# Altium PCB nufsr-p00.pcbdoc
Units mm, origin at the board's own origin, x right, y up, seen from the top; angles counter-clockwise.
Board outline 70.36 x 40 mm, 8 copper layers (Top Layer, Signal Layer 1, Signal Layer 2, Mid-Layer 3, Mid-Layer 4, Internal Plane 1, Internal Plane 2, Bottom Layer), stack 2.008 mm thick; 85 components, 43 nets, 296 pads, 84 vias.
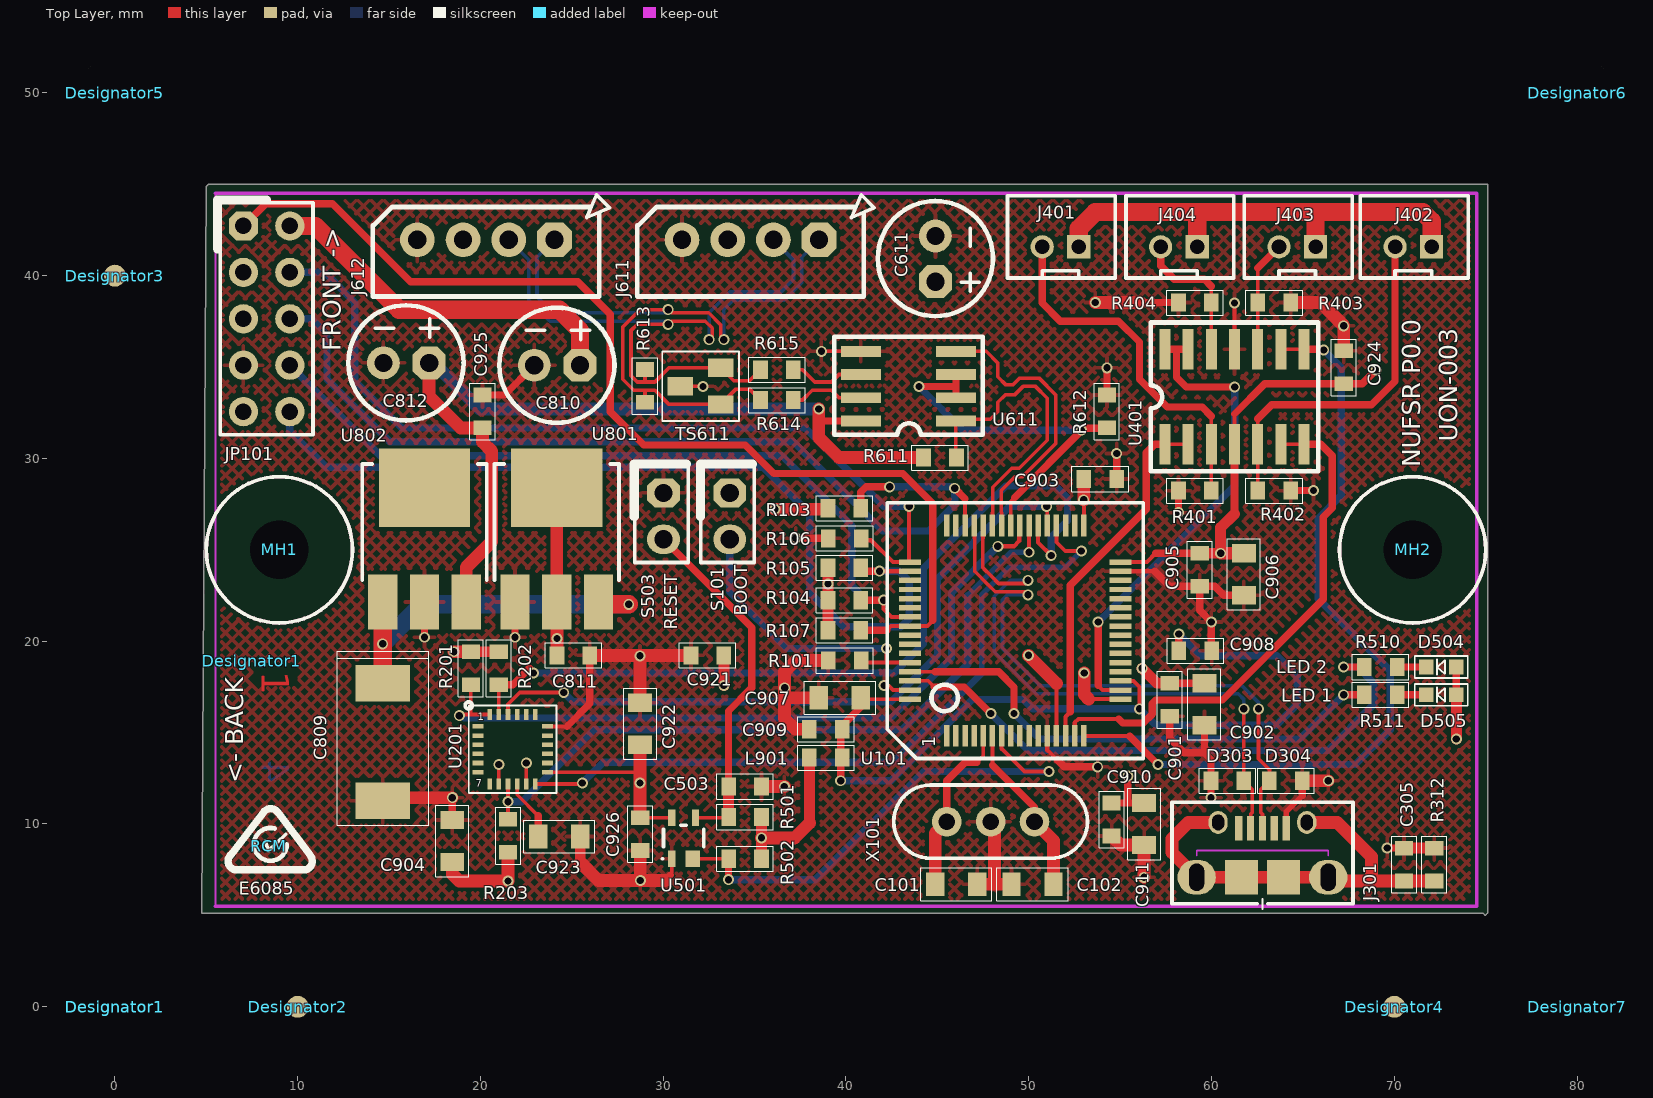
[diagram p0: Top Layer view]
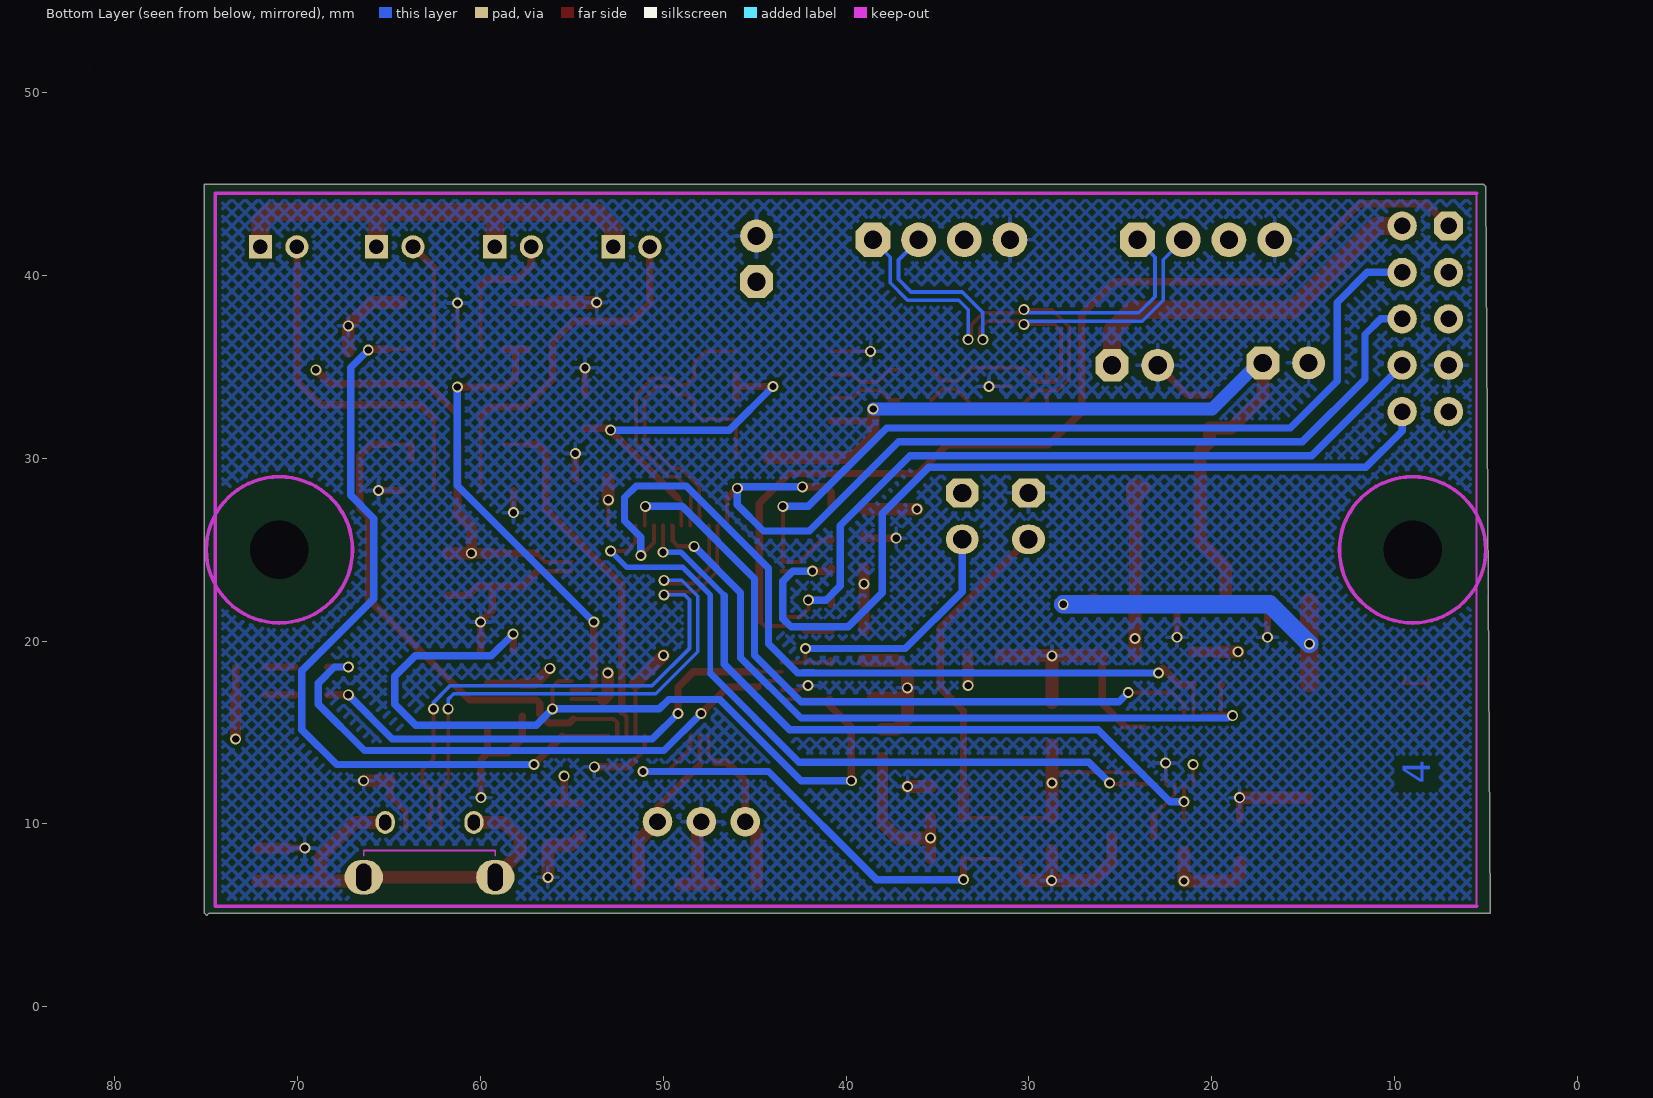
[diagram p1: Bottom Layer view, seen from below]
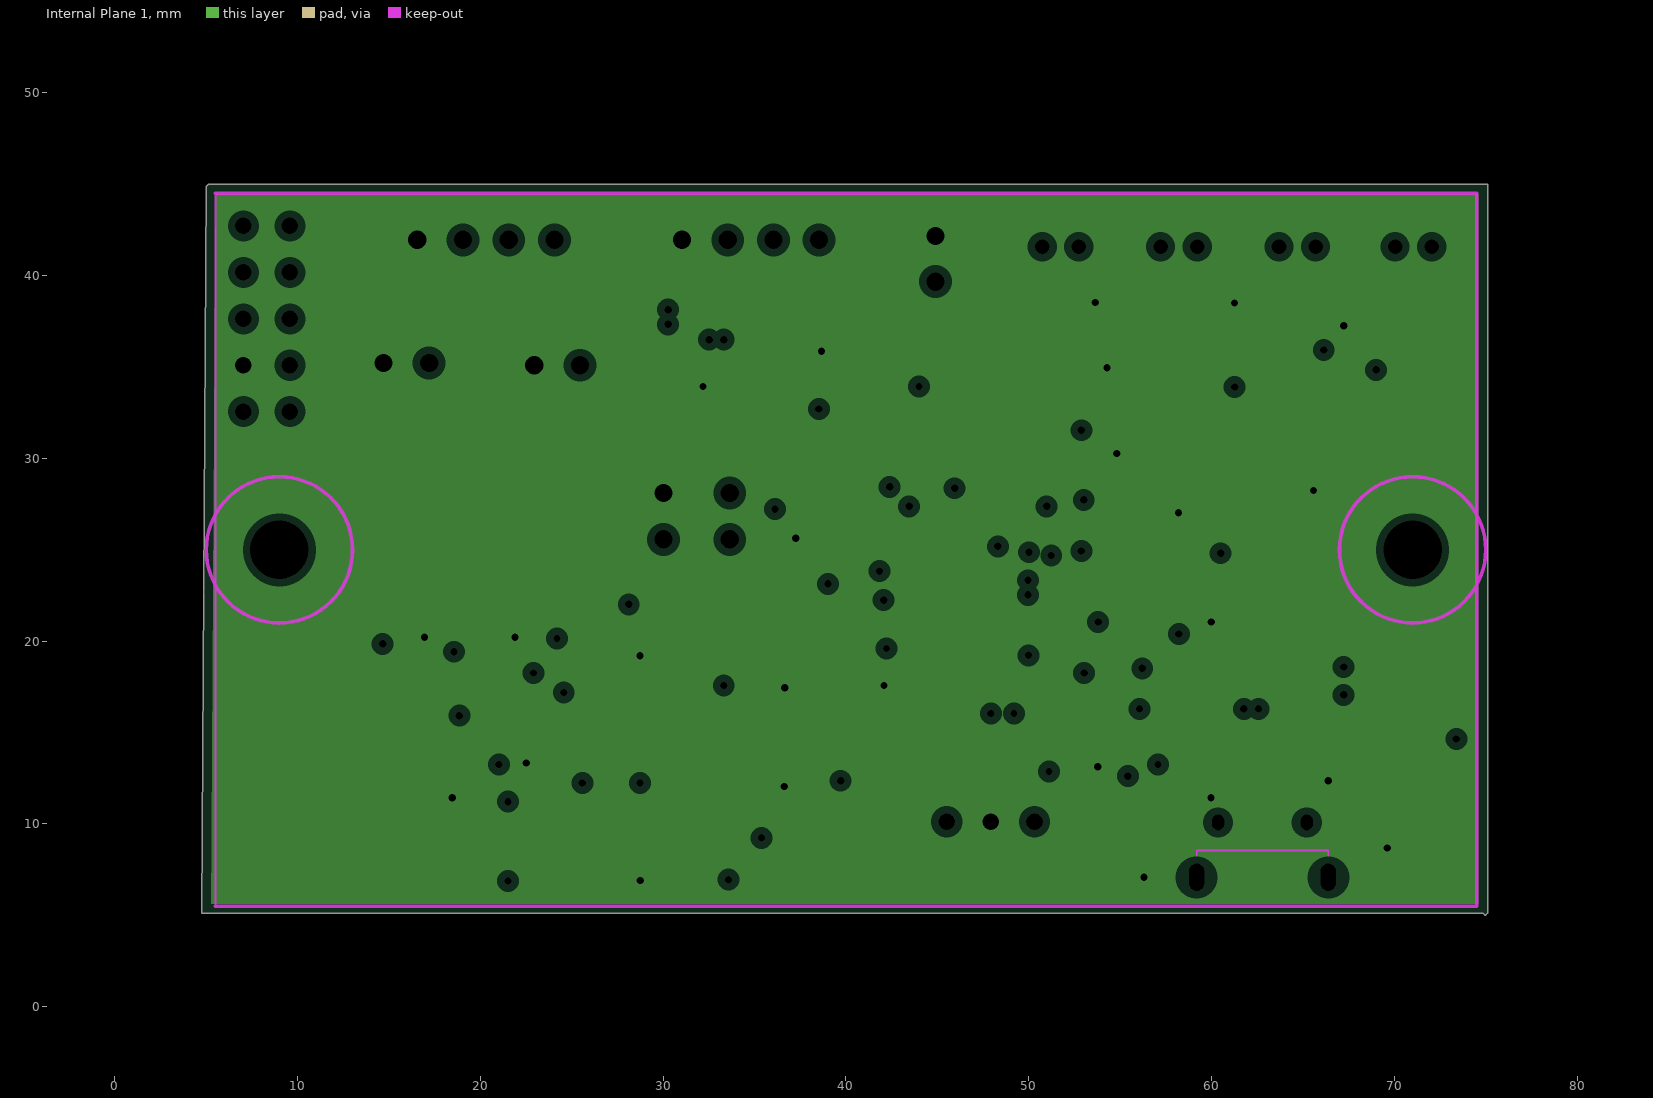
[diagram p2: Internal Plane 1, clearances drawn from the general rule]
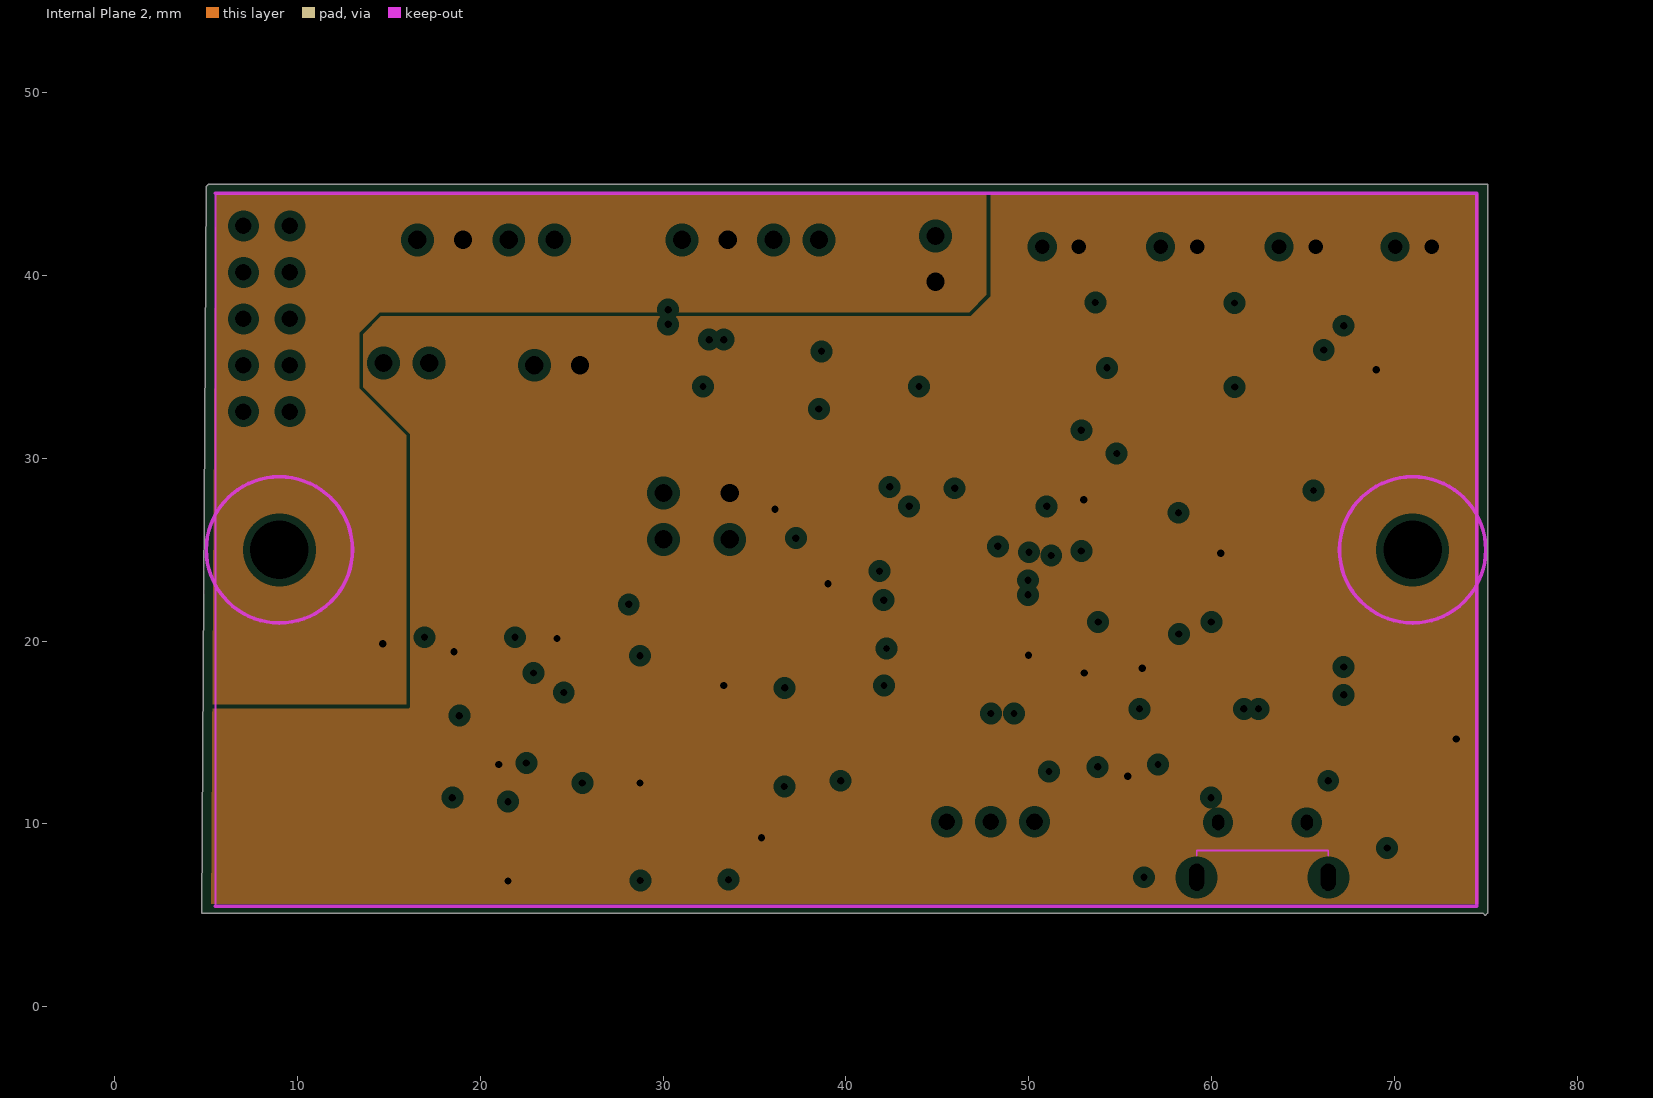
[diagram p3: Internal Plane 2, clearances drawn from the general rule]
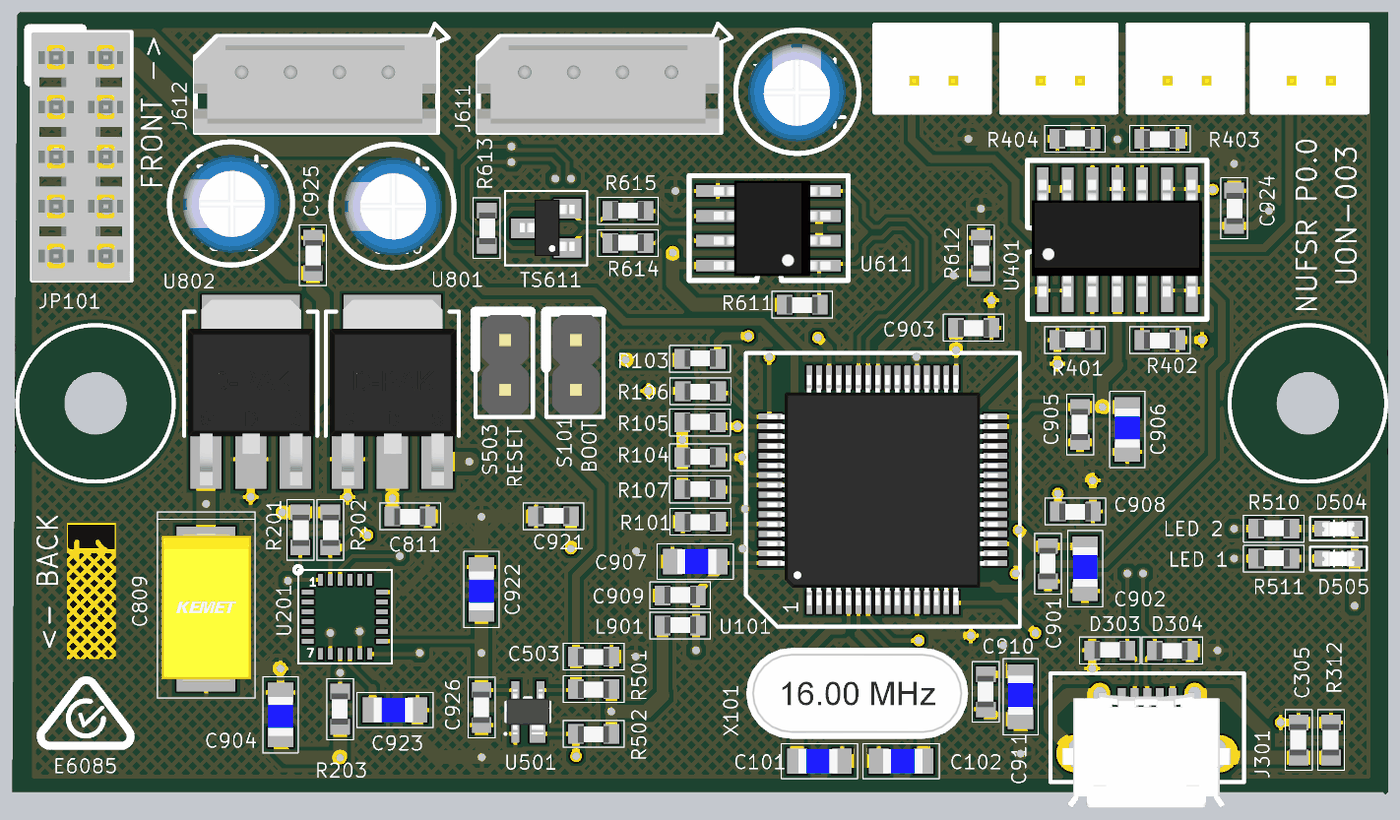
[diagram p4: 3D render of the assembled board from above, using the file's embedded part models]

## Layer stack, top to bottom
Top Solder: solder mask 0.0102, Solder Resist, Dk 3.5
Top Layer: signal copper 0.0356
Dielectric 1: core 0.254, FR-4, Dk 4.2
Signal Layer 1: signal copper 0.036
Dielectric 6: prepreg 0.127, Dk 4.2
Signal Layer 2: signal copper 0.036
Dielectric5: dielectric 0.32, FR-4, Dk 4.8
Mid-Layer 3: signal copper 0.0356
Dielectric6: dielectric 0.32, FR-4, Dk 4.8
Mid-Layer 4: signal copper 0.0356
Dielectric7: dielectric 0.32, FR-4, Dk 4.8
Internal Plane 1: plane copper 0.036, net 0V
Dielectric 5: core 0.254, FR-4, Dk 4.2
Internal Plane 2: plane copper 0.036, net (Multiple Nets)
Dielectric 4: prepreg 0.127, Dk 4.2
Bottom Layer: signal copper 0.0356
Bottom Solder: solder mask 0.0102, Solder Resist, Dk 3.5

## Board outline
5,44.878 5.127,45.005 75.104,45.005 75.104,5.127 74.977,5 74.85,5.127 4.746,5.127

## Design rules (kind name [scope] priority, off if disabled: settings)
Clearance [All] p1: gap=0.2 ignorepadtopadclearanceinfootprint=FALSE
DiffPairsRouting [InDifferentialPairClass('All Differential Pairs')] p1: maxlimit=0.254 minlimit=0.25 mostfreqgap=0.254 toplayer_minwidth=0.125 toplayer_maxwidth=0.4 toplayer_prefwidth=0.25 midlayer1_minwidth=0.125 midlayer1_maxwidth=0.4 midlayer1_prefwidth=0.25 midlayer2_minwidth=0.125 midlayer2_maxwidth=0.4 midlayer2_prefwidth=0.25 midlayer3_minwidth=0.125 midlayer3_maxwidth=0.4 midlayer3_prefwidth=0.25 midlayer4_minwidth=0.125 midlayer4_maxwidth=0.4 midlayer4_prefwidth=0.25 bottomlayer_minwidth=0.125 bottomlayer_maxwidth=0.4 bottomlayer_prefwidth=0.25 maxuncoupledlength=12.7
HoleSize [All] p1: absolutevalues=TRUE maxlimit=5 minlimit=0.2 maxpercent=80.000 minpercent=20.000
MinimumSolderMaskSliver MinimumSolderMaskSliver_U301 [InComponent('U301')] p1 off: minsoldermaskwidth=0.045
MinimumSolderMaskSliver MinimumSolderMaskSliver_U201 [InComponent('U201')] p2 off: minsoldermaskwidth=0.03
MinimumSolderMaskSliver MinimumSolderMaskSliver_U702 [InComponent('U702')] p3 off: minsoldermaskwidth=0.05
MinimumSolderMaskSliver MinimumSolderMaskSliver_J301 [InComponent('J301')] p4 off: minsoldermaskwidth=0.045
MinimumSolderMaskSliver [All] p5 off: minsoldermaskwidth=0.1
PlaneClearance [All] p1: clearance=0.4
PlaneConnect [All] p1: planeconnectstyle=Direct reliefexpansion=0.4 reliefentries=4 reliefconductorwidth=0.25 reliefairgap=0.2
PolygonConnect [All] p1: connectstyle=Relief reliefconductorwidth=0.2 reliefentries=4 polygonreliefangle="90 Angle" airgapwidth=0.254
RoutingVias [All] p1: holewidth=0.4 width=0.6 viastyle="Through Hole" minholewidth=0.2 minwidth=0.4 maxholewidth=0.6 maxwidth=1
SMDNeckDown [All] p1: percent=88.000
ShortCircuit [InNet('0V') vs InNet('DXL_GND')] p1: allowed=TRUE
SilkToSilkClearance [All] p1: silktosilkclearance=0.2
SilkToSolderMaskClearance [IsPad] p1: minsilkscreentomaskgap=0.15 clearancetoexposedcopper=TRUE
SolderMaskExpansion [All] p1: expansion=0.102
Width Width_Power [InNetClass('PowerClass')] p1: maxlimit=2 minlimit=0.125 preferedwidth=0.7
Width [All] p2: maxlimit=1 minlimit=0.125 preferedwidth=0.4
22 further rules are at their usual default settings.

## Classes and differential pairs
component class nufsr-power: C809 C810 C811 C812 MH1 MH2 RCM U801 U802
component class nufsr-controller: C101 C102 R101 S101 U101 X101
component class nufsr-fsr: J401 J402 J403 J404 R401 R402 R403 R404 U401
component class nufsr-motion-sensor: R201 R202 R203 U201
component class nufsr-user-io: C305 C503 D303 D304 D504 D505 J301 JP101 R103 R104 R105 R106 R107 R312 R501 R502 R510 R511 S503 U501
component class nufsr-power-decoupling: C901 C902 C903 C904 C905 C906 C907 C908 C909 C910 C911 C921 C922 C923 C924 C925 C926 L901
component class nufsr-rs485: C611 J611 J612 R611 R612 R613 R614 R615 TS611 U611
net class PowerClass: 3V3 +5V
differential pair DXL: +DXL_P -DXL_N
differential pair BUF: +BUF_P -BUF_N
differential pair RS485: +RS485_P -RS485_N
differential pair USB: +USB_P -USB_N

## Components (designator, comment, footprint, x,y, rotation, side; value= is the part's Value field where it differs from the comment)
C101 "16pF" 0805(LB) 44.878,6.702 r0 top
C102 "16pF" 0805(LB) 51.355,6.702 r180 top
C305 "4n7 Cer." 0603(LB) 70.532,8.683 r270 top
C503 "100nF" 0603(LB) 33.575,12.051 r0 top
C611 "100uf 25V" RB-D6.3-P2.5 44.893,39.671 r270 top
C809 "47uF 25V" CASE-D(LB) 14.652,17.7 r270 top
C810 "10uF 50V" RB-D6.3-P2.5 25.447,35.099 r0 top
C811 "100nF" 0603(LB) 24.188,19.224 r0 top
C812 "10uF 50V" RB-D6.3-P2.5 17.192,35.226 r0 top
C901 "100nF" 0603(LB) 57.705,17.7 r270 top
C902 "1uF" 0805(LB) 59.61,17.7 r270 top
C903 "100nF" 0603(LB) 53.006,28.876 r0 top
C904 "1uF" 0805(LB) 18.462,7.921 r90 top
C905 "100nF" 0603(LB) 59.356,24.812 r270 top
C906 "1uF" 0805(LB) 61.769,24.812 r270 top
C907 "4u7" 0805(LB) 40.814,16.913 r180 top
C908 "100nF" 0603(LB) 58.213,19.478 r0 top
C909 "100nF" 0603(LB) 39.798,15.18 r180 top
C910 "100nF" 0603(LB) 54.53,11.147 r270 top
C911 "1uF" 0805(LB) 56.308,11.147 r270 top
C921 "100nF" 0603(LB) 33.321,19.224 r180 top
C922 "2u2 Ceramic" 0805(LB) 28.734,14.338 r90 top
C923 "0.47uF" 0805(LB) 23.161,9.318 r0 top
C924 "10nF Cer." 0603(LB) 67.23,34.083 r90 top
C925 "100nF" 0603(LB) 20.113,31.67 r90 top
C926 "100nF" 0603(LB) 28.749,10.349 r270 top
D303 "PGB1010603" 0603(LB) 61.769,12.366 r180 top
D304 "PGB1010603" 0603(LB) 63.166,12.366 r0 top
D504 "LED 2" LED-0603(LB) 72.564,18.589 r180 top
D505 "LED 1" LED-0603(LB) 72.564,17.065 r180 top
Designator1 "Comment" HW-FAB-LAYER4 7.493,18.923 r270 top
Designator1 "Comment" HW-ORIGIN 0,0 r0 top
Designator1 "Comment" HW-TOOL#1 -19.257,-12.145 r0 top
Designator2 "Comment" HW-FIDUCIAL(LB) 10,0 r0 top
Designator3 "Comment" HW-FIDUCIAL(LB) 0,40 r0 top
Designator4 "Comment" HW-FIDUCIAL(LB) 70,0 r0 top
Designator5 "Comment" HW-TOOL#2 -19.892,30.273 r0 top
Designator6 "Comment" HW-TOOL#3 117.776,34.337 r0 top
Designator7 "Comment" HW-TOOL#4 104.568,-6.43 r0 top
J301 "USB" USB-ZX62D 62.785,5.635 r0 top
J401 "FSR1" JST-B2B-PH 51.736,41.576 r0 top
J402 "FSR2" JST-B2B-PH 71.04,41.576 r0 top
J403 "FSR3" JST-B2B-PH 64.69,41.576 r0 top
J404 "FSR4" JST-B2B-PH 58.213,41.576 r0 top
J611 "RS485" CON-MOLEX_2203-5045 38.528,41.957 r180 top
J612 "RS485" CON-MOLEX_2203-5045 24.05,41.957 r180 top
JP101 "JTAG" HDR2X5(LB) 7.032,42.719 r270 top
L901 "Ferrite Bead" 0603(LB) 39.798,13.636 r180 top value=BLM18PG121SN1
MH1 "Fixing" HW-FIXING-3MM-PLASTIC 9,25 r0 top
MH2 "Fixing" HW-FIXING-3MM-PLASTIC 71,25 r0 top
R101 "10K" 0603(LB) 39.036,18.945 r0 top
R103 "10K" 0603(LB) 40.814,27.276 r180 top
R104 "10K" 0603(LB) 40.814,22.247 r180 top
R105 "10K" 0603(LB) 40.814,24.025 r180 top
R106 "10K" 0603(LB) 39.036,25.625 r0 top
R107 "10K" 0603(LB) 40.814,20.596 r180 top
R201 "2K" 0603(LB) 19.478,17.624 r90 top
R202 "2K" 0603(LB) 21.002,17.624 r90 top
R203 "2K" 0603(LB) 21.51,10.258 r270 top
R312 "1M" 0603(LB) 72.183,8.683 r270 top
R401 "10K" 0603(LB) 59.991,28.241 r180 top
R402 "10K" 0603(LB) 62.531,28.241 r0 top
R403 "10K" 0603(LB) 62.531,38.528 r0 top
R404 "10K" 0603(LB) 59.991,38.528 r180 top
R501 "10K" 0603(LB) 33.575,10.385 r0 top
R502 "10K" 0603(LB) 33.575,8.099 r0 top
R510 "470R" 0603(LB) 70.151,18.589 r180 top
R511 "470R" 0603(LB) 70.151,17.065 r180 top
R611 "10K" 0603(LB) 44.243,30.049 r0 top
R612 "10K" 0603(LB) 54.276,31.67 r90 top
R613 "120R" 0603(LB) 29.003,33.067 r90 top
R614 "10R" 0603(LB) 37.123,33.194 r180 top
R615 "10R" 0603(LB) 37.123,34.845 r180 top
RCM "HW-RCM(LB)" HW-RCM 8.429,8.785 r0 top
S101 "BOOT" HDR1X2(LB) 33.641,28.114 r270 top
S503 "RESET" HDR1X2(LB) 30.019,28.114 r270 top
TS611 "CDSOT23-T12" SOT-23-3(LB) 32.043,33.956 r90 top
U101 "STM32F373" LQFP-64_10x10(LB) 45.513,14.83 r90 top value=Value
U201 "ICM-20689" QFN-24 19.859,15.338 r0 top
U401 "LM324" SO-14(LB) 57.451,30.781 r90 top
U501 "ADM6713 (3.08V)" SC70-4 31.111,9.224 r90 top
U611 "THVD1550" SO-8(LB) 46.013,32.051 r180 top
U801 "LD1086" DPAK(LB) 24.177,22.145 r0 top
U802 "7805" DPAK(LB) 16.938,22.145 r0 top
X101 "32MHz" CRYSTAL-3(LB) 45.513,10.131 r0 top

## Footprints (in the part's own frame and the unit in brackets; to place one, negate y for a bottom-side part, rotate by r counter-clockwise, add the part's x,y. Pads: shape width x height; smd on the part's side, far side on the other; paste and mask are expansions set on the pad)
0603(LB) [mm]
  rect 0.8x1 smd: 1(0,0) 2(1.8,0)
  silkscreen extent -0.65,-0.69 2.45,0.69, body extent 0.09,-0.46 1.69,0.4, height 0.58
0805(LB) [mm]
  rect 1x1.3 smd: 1(0,0) 2(2.3,0)
  silkscreen extent -0.8,-0.9 3.1,0.9, body extent 0.07,-0.62 2.07,0.62, height 0.6
CASE-D(LB) [mm]
  rect 2x3 smd: 1(0,0) 2(6.426,0)
  silkscreen extent -1.75,-2.49 7.77,2.51, body extent -0.65,-2.29 6.95,2.31, height 3.11
CON-MOLEX_2203-5045 [mm]
  oct 1.9x1.9 hole 1: 1(0,0)
  round 1.9 hole 1: 2(2.5,0) 3(5,0) 4(7.5,0)
  silkscreen extent -3.01,-2.46 9.95,3.1, body extent -2.37,-1.78 10.03,3.12, height 5.95
CRYSTAL-3(LB) [mil]
  round 64 hole 36: 1(0,0) 2(188.98,0) 3(94.49,0)
  silkscreen extent -114,-79 303,79, body extent -127,-90 319,93, height 142
DPAK(LB) [mm] "CASE SIZE 369A-13"
  rect 1.6x3 smd: 1(-2.286,0) 2(0,0) 3(2.286,0)
  rect 5x4.3 smd: TAB(0,6.248)
  silkscreen extent -3.4,1.2 3.4,7.55, body extent -3.22,-1.34 3.27,8.16, height 2.3
HDR1X2(LB) [mm]
  oct 1.6x1.8 hole 1: 1(0,0)
  oval 1.6x1.8 hole 1: 2(2.54,0)
  silkscreen extent -1.57,-1.6 3.81,1.35, body extent -1.4,-1.27 3.68,1.13, height 2.8
HDR2X5(LB) [mm] "Open header"
  oct 1.6x1.6 hole 0.9: 1(0,0)
  round 1.6 hole 0.9: 2(0,2.54) 3(2.54,0) 4(2.54,2.54) 5(5.08,0) 6(5.08,2.54) 7(7.62,0) 8(7.62,2.54) 9(10.16,0) 10(10.16,2.54)
  silkscreen extent -1.42,-1.42 11.43,3.81, body extent -1.25,-1.3 11.45,3.73, height 9.73
HW-FAB-LAYER4 [mm]
HW-FIDUCIAL(LB) [mm]
  round 1.2 smd: 1(0,0)
HW-FIXING-3MM-PLASTIC [mm] "Mounting point for a 3mm plastic pillar"
  round 2 hole 3.2 unplated paste+0 mask+0: 1(0,0)
  Keep-Out Layer circle w0.2: c0,0 r4
  silkscreen extent -4,-4 4,4
HW-ORIGIN [mm]
HW-RCM [mm]
  silkscreen extent -2.24,-1.3 2.37,2.06
HW-TOOL#1 [mm]
  round 3.9 hole 4 unplated paste-2.5 mask-2.5: TOOL(19.257,12.145)
HW-TOOL#2 [mm]
  round 3.9 hole 4 unplated paste-2.5 mask-2.5: TOOL(19.892,19.727)
HW-TOOL#3 [mm]
  round 3.9 hole 4 unplated paste-2.5 mask-2.5: TOOL(-37.776,15.663)
HW-TOOL#4 [mm]
  round 3.9 hole 4 unplated paste-2.5 mask-2.5: TOOL(-24.568,6.43)
JST-B2B-PH [mm]
  rect 1.27x1.27 hole 0.8: 1(1,0)
  round 1.27 hole 0.8: 2(-1,0)
  silkscreen extent -2.9,-1.7 3,2.8, body extent -2.92,-1.77 3.08,2.73, height 6
LED-0603(LB) [mm]
  rect 0.8x0.8 smd: A(-0.825,0) K(0.825,0)
  silkscreen extent -1.45,-0.6 1.45,0.6, body extent -0.82,-0.34 0.83,0.38, height 0.68
LQFP-64_10x10(LB) [mm]
  rect 1.2x0.3 smd: 1(0,0) 2(0,-0.5) 3(0,-1) 4(0,-1.5) 5(0,-2) 6(0,-2.5) 7(0,-3) 8(0,-3.5) 9(0,-4) 10(0,-4.5) 11(0,-5) 12(0,-5.5) 13(0,-6) 14(0,-6.5) 15(0,-7) 16(0,-7.5) 33(11.5,-7.5) 34(11.5,-7) 35(11.5,-6.5) 36(11.5,-6) 37(11.5,-5.5) 38(11.5,-5) 39(11.5,-4.5) 40(11.5,-4) 41(11.5,-3.5) 42(11.5,-3) 43(11.5,-2.5) 44(11.5,-2) 45(11.5,-1.5) 46(11.5,-1) 47(11.5,-0.5) 48(11.5,0)
  rect 0.3x1.2 smd: 17(2,-9.5) 18(2.5,-9.5) 19(3,-9.5) 20(3.5,-9.5) 21(4,-9.5) 22(4.5,-9.5) 23(5,-9.5) 24(5.5,-9.5) 25(6,-9.5) 26(6.5,-9.5) 27(7,-9.5) 28(7.5,-9.5) 29(8,-9.5) 30(8.5,-9.5) 31(9,-9.5) 32(9.5,-9.5) 49(9.5,2) 50(9,2) 51(8.5,2) 52(8,2) 53(7.5,2) 54(7,2) 55(6.5,2) 56(6,2) 57(5.5,2) 58(5,2) 59(4.5,2) 60(4,2) 61(3.5,2) 62(3,2) 63(2.5,2) 64(2,2)